# Altium PCB IO_Boardv3_281215.PcbDoc (continued)
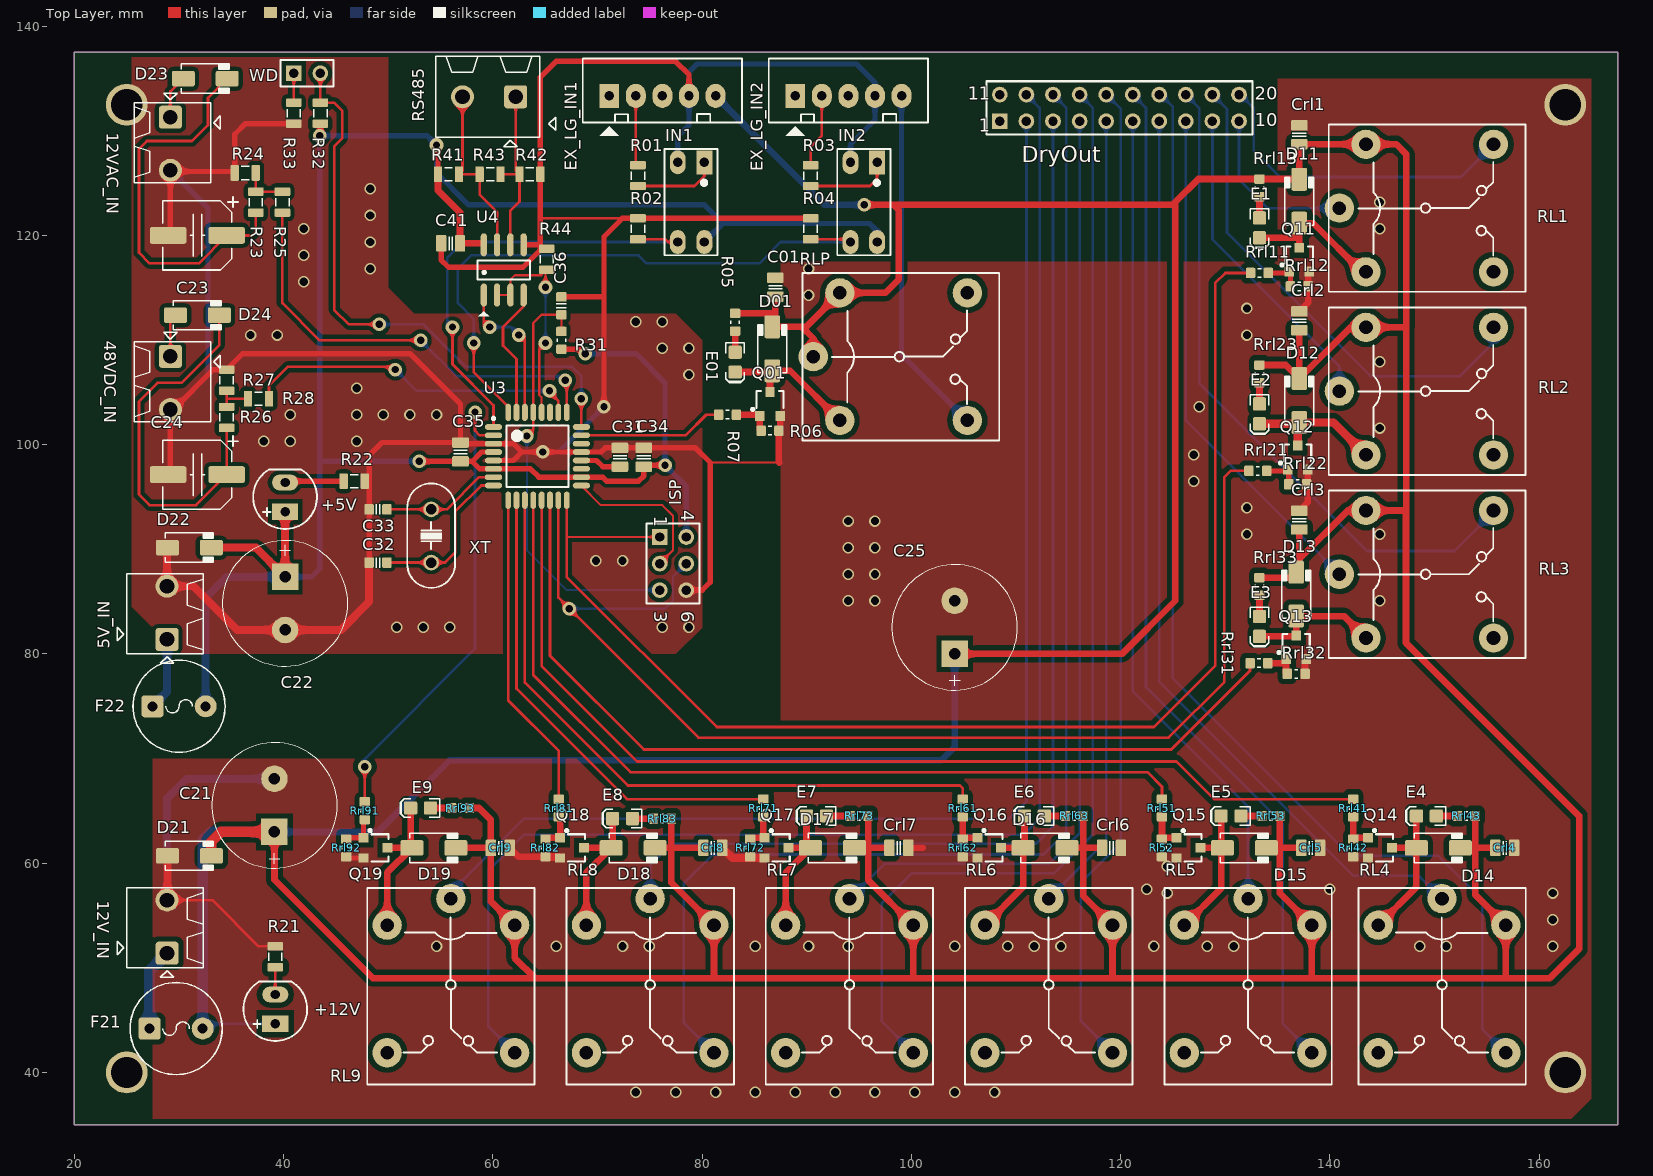
[diagram p0: Top Layer view]
## Footprints (in the part's own frame and the unit in brackets; to place one, negate y for a bottom-side part, rotate by r counter-clockwise, add the part's x,y. Pads: shape width x height; smd on the part's side, far side on the other; paste and mask are expansions set on the pad) (continued)
XT2 [mm]
  round 1.5 hole 1: 1(-2.54,0) 2(2.54,0)
  silkscreen extent -5.03,-2.29 4.96,2.29, body extent -5.93,-2.36 5.42,2.29, height 3.5

## Part data
5V_IN 12V_IN 12VAC_IN 48VDC_IN RS485: library part 2P_ScrewTerm_90S_3.81MM, "Terminal Block Screw Type THT 2-Position 3.81mm pitch"
C21 C22 C25: library part CP4, "Cap 1000uF/16V - 220uF/50V"
C41: library part "CAP NP"
DryOut: "Header, 10-Pin, Dual row"
E1 E01 E2 E3 E4 E5 E6 E7 E8 E9: library part LED_SMD_Blue_0805_100mcd, "LED 0805 SMD Blue 100mcd 470nm"
EX_LG_IN1 EX_LG_IN2: library part Con5, "Connector 5"
F21 F22: library part Fuse
IN1 IN2: library part Opto
ISP: "Header, 3-Pin, Dual row"
Q01 Q11 Q12 Q13 Q14 Q15 Q16 Q17 Q18 Q19: library part NPN, "Transistor C828 C1815...."
R21 R22: library part Res
R41 R42 R43 R44: library part Res, "Tro dan"
RL1 RL2 RL3 RL4 RL5 RL6 RL7 RL8 RL9 RLP: library part "Relay 1", "Relay SPDT,10A - 12VDC 5 Pin"
U3: library part ATmega48/168/328, "ATmega48/168/328"
U4: "RS232 - RS485 (Same sn75176)"
WD: library part "Header 2", "Header, 2-Pin"
XT: library part Crystal

## Free pads (board coordinates)
  round 4 hole 3: G(25,40) G(25,132.5) G(162.5,40) G(162.5,132.5)

## Via types
v1: diameter 1.1, hole 0.8, Top Layer to Bottom Layer, 86 vias
v2: diameter 1.3, hole 0.7, Top Layer to Bottom Layer, 24 vias

## Nets (pads, with @x,y where several pads share a name; then routed paths per layer and width w, separated by ;. In a path a pad name is that pad's centre, name@x,y a point inside that pad or via, vN(x,y) a via of type N, cw(c..) or ccw(c..) an arc to the next point about the centre after c; other vN are vias at no path point)
+12V: +12V.A C01.1@86.995,114.162 C21.1 C25.1 Crl1.1@137.081,128.729 Crl2.1@137.081,110.949 Crl3.1@137.081,91.899 Crl4.1@155.818,61.468 Crl5.1@137.276,61.468 Crl6.1@118.226,61.468 Crl7.1@97.906,61.468 Crl8.1@80.126,61.468 Crl9.1@59.806,61.468 D01.K D11.K D12.K D13.K D14.K D15.K D16.K D17.K D18.K D19.K D21.K EX_LG_IN1.5 F21.2 R05.2 RL1.5 RL2.5 RL3.5 RL4.5 RL5.5 RL6.5 RL7.5 RL8.5 RL9.5 RLP.1 RLP.5 Rrl13.2 Rrl23.2 Rrl33.2 Rrl43.2 Rrl53.2 Rrl63.2 Rrl73.2 Rrl83.2 Rrl93.2 | length 669
  Top Layer w0.635: C21.1 39.116,58.42 48.514,49.022 64.008,49.022 ; D19.K Crl9.1@59.806,61.468 ; Rrl93.2 58.674,65.278 59.806,64.146 Crl9.1@59.806,61.468 ; D18.K 77.05,61.468 ; Rrl83.2 77.05,61.468 ; Crl8.1@80.126,61.468 77.05,61.468 ; R05.2 86.955,112.562 86.995,112.522 ; C01.1@86.995,114.162 86.995,112.522 ; RLP.1 90.62,110.187 89.535,111.272 ; D17.K 95.89,61.468 ; v2(95.504,122.936) 98.298,122.936 ; Rrl73.2@95.89,64.246 95.89,61.468 ; Crl7.1@97.906,61.468 95.89,61.468 ; C25.1 120.142,80.01 125.222,85.09 125.222,123.19 ; D16.K 116.42,61.468 ; Rrl63.2 116.42,61.468 ; Crl6.1@118.226,61.468 116.42,61.468 ; Rrl33.2 137.061,87.299 137.081,87.279 137.081,89.075 ; Rrl23.2 135.791,107.619 D12.K ; D15.K 135.216,61.468 ; Rrl53.2 135.216,61.468 ; Crl3.1@137.081,91.899 137.081,89.075 ; Crl2.1@137.081,110.949 D12.K ; Crl5.1@137.276,61.468 135.216,61.468 ; 138.278,49.124 RL5.5 135.216,57.138 135.216,61.468 ; D14.K 153.885,61.468 ; Rrl43.2 153.885,61.468 ; Crl4.1@155.818,61.468 153.885,61.468 ; 156.82,49.124 RL4.5 153.885,57.011 153.885,61.468 ; Crl9.1@59.806,61.468 59.806,56.348 RL9.5 62.078,50.952 64.008,49.022 ; 64.008,49.022 81.28,49.022 ; 77.05,61.468 77.05,58.154 RL8.5 81.128,49.174 81.28,49.022 ; 81.28,49.022 100.33,49.022 ; 86.995,112.522 86.995,111.558 D01.K 89.535,111.272 ; 89.535,111.272 89.915,111.272 RLP.5 97.5,114.518 98.806,115.824 98.806,122.428 98.298,122.936 ; 95.89,61.468 95.89,58.364 RL7.5 100.178,49.174 100.33,49.022 ; 98.298,122.936 124.968,122.936 125.222,123.19 ; 100.33,49.022 119.126,49.022 ; 116.42,61.468 116.42,56.884 RL6.5 119.228,49.124 119.126,49.022 ; 119.126,49.022 161.036,49.022 163.83,51.816 163.83,64.516 147.283,81.063 147.283,93.721 ; 125.222,123.19 127.431,125.399 Rrl13.2 137.061,125.399 D11.K 137.081,128.729 137.089,128.721 RL1.5 146.361,128.721 147.32,127.762 147.32,111.252 147.289,111.221 ; 137.081,89.075 141.727,93.721 RL3.5 147.283,93.721 ; D12.K 141.973,111.221 RL2.5 147.289,111.221 ; 147.283,93.721 147.289,93.726 147.289,111.221
  Top Layer w1: D21.K 33.088,62.044 34.036,62.992 C21.1
  Bottom Layer w0.254: F21.2 32.721,44.659 +12V.A
  Bottom Layer w0.635: C21.1 49.022,62.992 55.88,69.85 102.87,69.85 104.14,71.12 C25.1 ; EX_LG_IN1.5 91.694,122.936 v2(95.504,122.936)
  Bottom Layer w1: F21.2 32.258,62.23 33.02,62.992 C21.1
+12V_SMOKE: EX_LG_IN2.5 RLP.3 | length 33.6
  Bottom Layer w0.508: EX_LG_IN2.5 99.06,108.618 RLP.3
ADC1: R32.1@43.507,132.699 U3.24 WD.2 | length 55.7
  Top Layer w0.254: WD.2 43.507,132.699 44.831,132.699 45.593,131.937 45.593,129.286 44.831,128.524 44.831,112.903 46.228,111.506 v2(49.149,111.506) ; v2(68.453,104.394) 68.455,104.392 U3.24
  Bottom Layer w0.254: v2(49.149,111.506) 53.34,111.506 57.404,107.442 67.564,107.442 68.453,106.553 v2(68.453,104.394)
ADC2: R25.2 U3.25 | length 41.9
  Top Layer w0.254: R25.2 39.878,113.538 43.434,109.982 v2(53.086,109.982) ; v2(66.929,106.172) 67.055,106.046 U3.25
  Bottom Layer w0.254: v2(53.086,109.982) 56.515,106.553 56.642,106.553 66.548,106.553 v2(66.929,106.172)
ADC3: R28.2 U3.26 | length 32.2
  Top Layer w0.254: R28.2 38.592,105.648 40.386,107.442 50.419,107.442 v2(50.673,107.188) ; v2(65.405,105.156) 65.405,105.029 66.255,104.179 U3.26
  Bottom Layer w0.254: v2(50.673,107.188) 52.705,105.156 v2(65.405,105.156)
ADC4: U3.27
ADC6: U3.19
ADC7: U3.22
AREF: C31.1@72.136,97.906 U3.20 | length 3.9
  Top Layer w0.508: U3.20 69.902,98.5 70.496,97.906 C31.1@72.136,97.906
COM1: DryOut.10 RL1.1 | length 16.3
  Bottom Layer w0.254: DryOut.10 131.318,125.349 134.042,122.625 RL1.1
COM2: DryOut.9 RL2.1 | length 30.8
  Bottom Layer w0.254: DryOut.9 128.778,119.634 140.912,107.5 RL2.1
COM3: DryOut.8 RL3.1 | length 49.4
  Bottom Layer w0.254: DryOut.8 126.238,102.299 RL3.1
COM4: DryOut.7 RL4.1 | length 89.2
  Bottom Layer w0.254: DryOut.7 123.698,77.343 142.24,58.801 148.539,58.801 RL4.1
COM5: DryOut.6 RL5.1 | length 78.9
  Bottom Layer w0.254: DryOut.6 121.158,76.454 132.182,65.43 RL5.1
COM6: DryOut.5 RL6.1 | length 76.6
  Bottom Layer w0.254: RL6.1 118.618,62.103 DryOut.5
COM7: DryOut.4 RL7.1 | length 92.7
  Bottom Layer w0.254: RL7.1 97.409,59.944 113.157,59.944 116.078,62.865 DryOut.4
COM8: DryOut.3 RL8.1 | length 110.7
  Bottom Layer w0.254: RL8.1 75.032,59.792 77.089,61.849 111.887,61.849 113.538,63.5 DryOut.3
COM9: DryOut.2 RL9.1 | length 124.3
  Bottom Layer w0.254: RL9.1 55.982,57.252 62.992,64.262 109.347,64.262 110.998,65.913 DryOut.2
DRY1A: EX_LG_IN1.3
DRY1B: EX_LG_IN1.2 R01.2 | length 6.7
  Top Layer w0.254: EX_LG_IN1.2 73.66,126.93 R01.2
DRY2A: EX_LG_IN2.3
DRY2B: EX_LG_IN2.2 R03.2 | length 7.1
  Top Layer w0.254: R03.2 90.37,128.47 91.44,129.54 EX_LG_IN2.2
GND: 5V_IN.2 12V_IN.2 12VAC_IN.2 48VDC_IN.2 C01.2 C21.2 C22.2 C23.2 C24.2 C25.2 C31.2 C32.2 C33.2 C34.2 C35.2 C36.1 C41.1@55.053,119.253 Crl1.2 Crl2.2 Crl3.2 Crl4.2 Crl5.2 Crl6.2 Crl7.2 Crl8.2 Crl9.2 D21.A D22.A EX_LG_IN1.4 EX_LG_IN2.4 IN1.2 IN2.2 ISP.6 pad.G Q01.3 Q11.3 Q12.3 Q13.3 Q14.3 Q15.3 Q16.3 Q17.3 Q18.3 Q19.3 R02.1@73.86,121.65 R04.1@90.37,121.65 R06.1 R21.2 R22.2 R24.1@35.322,125.984 R27.1@34.544,107.172 R33.1@40.967,130.699 R42.1@64.535,125.857 R44.1@65.151,118.729 Rl52.1 Rrl12.1 Rrl22.1 Rrl32.1 Rrl42.1 Rrl62.1 Rrl72.1 Rrl82.1 Rrl92.1 U3.3 U3.5 U3.21 U4.5 | length 392.7
  Top Layer w0.203: 80.772,98.298 87.376,98.298
  Top Layer w0.254: 12V_IN.2 33.185,56.477 37.606,52.056 R21.2 ; 64.535,121.666 64.551,121.65 72.374,121.65
  Top Layer w0.508: C24.2 29.17,97.37 48VDC_IN.2 29.459,103.373 33.258,107.172 34.544,107.172 36.084,108.712 52.07,108.712 56.896,103.886 C35.2 ; C23.2 29.17,120.23 12VAC_IN.2 29.281,126.122 R24.1@35.306,126.122 ; R24.1@35.322,125.984 35.322,129.683 36.338,130.699 R33.1@40.967,130.699 ; Rrl92.1@46.089,60.503 Q19.3 ; C32.2 C33.2 48.165,98.965 49.414,100.214 C35.2 ; C41.1@55.053,119.253 55.053,117.667 55.753,116.967 62.865,116.967 64.535,118.637 64.535,119.253 ; U3.5 61.952,98.5 62.752,99.3 ; U4.5 64.395,119.113 64.535,119.253 ; v2(64.77,99.314) v2@64.77,99.3 ; C36.1@66.421,114.134 70.524,114.134 70.612,114.046 ; v2(70.612,103.632) 70.612,114.046 ; ISP.6 80.01,86.106 80.772,86.868 80.772,98.298 79.364,99.706 C34.2 C31.2 70.75,99.706 70.344,99.3 U3.21 v2@64.77,99.3 ; EX_LG_IN1.4 78.74,135.382 77.47,136.652 66.04,136.652 64.535,135.147 64.535,125.857 64.535,121.666 64.535,119.253 ; R04.1@90.37,121.65 73.86,121.65 72.374,121.65 70.612,119.888 70.612,114.046 ; C35.2 57.01,100.1 U3.3 61.952,100.1 62.752,99.3 ; 62.752,99.3 v2@64.77,99.3
  Top Layer w0.635: Crl9.2 62.456,60.618 Rrl82.1 ; 87.376,98.298 87.337,98.337 R06.1 87.452,101.461 Q01.3 ; Crl7.2 101.092,61.468 ; Crl3.2 137.89,94.508 Q12.3 ; Crl2.2 137.931,113.599 Rrl12.1 137.931,116.433 Q11.3 ; Rrl32.1 137.629,79.387 Q13.3
  Top Layer w0.762: 12V_IN.2 28.888,56.515 D21.A ; D22.A 28.85,90.132 5V_IN.2 31.379,86.477 35.56,82.296 C22.2 45.466,82.296 48.165,84.995 C32.2 ; Rrl82.1 66.306,60.618 Q18.3 ; Crl8.2 82.891,60.503 Q17.3
  Bottom Layer w0.508: 48VDC_IN.2 29.459,103.373 32.766,106.68 32.766,122.637 12VAC_IN.2 ; v2(64.77,99.314) 66.294,99.314 v2(70.612,103.632) ; IN1.2 77.67,129.486 78.74,130.556 EX_LG_IN1.4 78.74,135.636 79.502,136.398 94.742,136.398 96.52,134.62 EX_LG_IN2.4 96.52,131.064 94.18,128.724 IN2.2
  Bottom Layer w0.762: 12V_IN.2 28.85,66.188 30.734,68.072 C21.2
  other v1: 73.66,38.1 77.47,38.1 81.28,38.1 85.09,38.1 88.9,38.1 92.71,38.1 96.52,38.1 100.33,38.1 104.14,38.1 107.95,38.1 54.61,52.07 66.04,52.07 72.39,52.07 74.93,52.07 85.09,52.07 90.17,52.07 93.98,52.07 104.14,52.07 109.22,52.07 111.76,52.07 114.3,52.07 123.19,52.07 128.27,52.07 130.81,52.07 148.59,52.07 151.13,52.07 161.29,52.07 161.29,54.61 124.46,57.15 161.29,57.15 122.5,57.5 140,57.5 124.46,59.69 50.8,82.55 53.34,82.55 55.88,82.55 76.2,82.55 78.74,82.55 93.98,85.09 96.52,85.09 144.78,85.09 93.98,87.63 96.52,87.63 69.85,88.9 72.39,88.9 93.98,90.17 96.52,90.17 132.08,91.44 144.78,91.44 93.98,92.71 96.52,92.71 132.08,93.98 127,96.52 127,99.06 38.1,100.33 40.64,100.33 46.99,100.33 144.78,101.6 40.64,102.87 46.99,102.87 49.53,102.87 52.07,102.87 54.61,102.87 127.508,103.632 46.99,105.41 78.74,106.68 144.78,107.95 76.2,109.22 78.74,109.22 36.83,110.49 39.37,110.49 132.08,110.49 73.66,111.76 76.2,111.76 132.08,113.03 90.17,114.3 41.91,115.57 48.26,116.84 90.17,116.84 41.91,118.11 48.26,119.38 41.91,120.65 144.78,120.65 48.26,121.92 144.78,123.19 48.26,124.46
LG_IN_1: IN1.3 R02.2 U3.1 | length 44.6
  Top Layer w0.254: v2(56.134,111.252) 56.134,107.696 60.055,103.775 U3.1 ; R02.2 76.47,119.65 76.74,119.38 IN1.3
  Bottom Layer w0.254: v2(56.134,111.252) 55.626,111.76 55.626,117.856 57.15,119.38 IN1.3
LG_IN_2: IN2.3 R04.2 U3.32 | length 58.9
  Top Layer w0.254: v2(58.166,109.728) 58.166,106.934 61.455,103.645 U3.32 ; R04.2 93.91,119.65 IN2.3
  Bottom Layer w0.254: v2(58.166,109.728) 58.166,112.014 56.642,113.538 56.642,116.84 57.912,118.11 73.914,118.11 74.676,117.348 85.471,117.348 87.503,119.38 IN2.3
MCU_RX: U3.30 U4.1 | length 14
  Top Layer w0.254: U4.1 59.128,111.814 v2(59.69,111.252) ; v2(62.484,110.49) 63.055,109.919 U3.30
  Bottom Layer w0.254: v2(59.69,111.252) 61.722,111.252 v2(62.484,110.49)
MCU_TX: U3.31 U4.4 | length 12.6
  Top Layer w0.254: U3.31 62.255,108.179 60.96,109.474 60.96,111.252 62.938,113.23 U4.4
MISO: ISP.1 Rrl11.1 U3.16 | length 126.9
  Top Layer w0.203: 67.055,91.186 ISP.1
  Top Layer w0.254: U3.16 67.055,91.186 67.055,87.376 81.406,73.025 123.19,73.025 129.032,78.867 129.032,115.443 130.01,116.421 Rrl11.1
MOSI: ISP.5 Rrl21.1 U3.15 | length 117.2
  Top Layer w0.254: U3.15 66.255,85.383 v2(67.31,84.328) 79.629,72.009 124.587,72.009 129.921,77.343 129.921,96.901 130.521,97.501 Rrl21.1
  Bottom Layer w0.203: v2(67.31,84.328) 76.454,84.328 77.216,85.09 77.216,87.376 ISP.5
Net5V_IN_1: 5V_IN.1 F22.1 | length 7
  Bottom Layer w0.762: F22.1 28.85,76.39 5V_IN.1
Net12V_IN_1: 12V_IN.1 F21.1 | length 7.9
  Bottom Layer w1.016: F21.1 27.178,49.725 12V_IN.1
Net12VAC_IN_1: 12VAC_IN.1 D23.A | length 4.2
  Top Layer w0.254: 12VAC_IN.1 29.17,133.77 D23.A
Net48VDC_IN_1: 48VDC_IN.1 D24.A | length 4.1
  Top Layer w0.254: 48VDC_IN.1 29.17,111.91 D24.A
Net+5V_2: +5V.K R22.1@45.736,96.52 | length 5.7
  Top Layer w0.508: +5V.K 40.259,96.52 R22.1@45.736,96.52
Net+12V_2: +12V.K R21.1@39.198,50.056 | length 2.6
  Top Layer w0.254: +12V.K R21.1@39.198,50.056
NetC23_1: C23.1 D23.K R23.1@37.338,122.19 | length 37.3
  Top Layer w0.254: D23.K 32.766,133.166 32.766,130.556 31.242,129.032 26.924,129.032 26.162,128.27 26.162,118.364 27.178,117.348 31.888,117.348 C23.1 36.952,120.01 37.338,120.396 R23.1@37.338,122.19
NetC24_1: C24.1 D24.K R26.1@34.544,101.616 | length 36.1
  Top Layer w0.254: D24.K 33.85,109.542 30.226,105.918 27.94,105.918 26.162,104.14 26.162,95.25 27.178,94.234 31.634,94.234 C24.1 34.55,101.61 R26.1@34.544,101.616
NetD01_1: D01.A E01.K Q01.2 RLP.4 | length 13.8
  Top Layer w0.635: E01.K 86.587,106.949 D01.A 88.414,107.072 RLP.4 ; Q01.2 D01.A@86.487,106.85
NetD11_1: D11.A E1.K Q11.2 RL1.4 | length 14.5
  Top Layer w0.635: E1.K 137.056,119.786 137.081,119.761 ; Q11.2 137.081,119.761 ; RL1.4 143.059,116.529 138.409,121.179 D11.A 137.081,119.761
NetD12_1: D12.A E2.K Q12.2 RL2.4 | length 13.6
  Top Layer w0.8: E2.K D12.A@136.959,102.006 ; Q12.2 136.925,101.973 D12.A@136.959,102.006 ; RL2.4 140.352,102.129 D12.A D12.A@136.959,102.006
NetD13_1: D13.A E3.K Q13.2 RL3.4 | length 12.9
  Top Layer w0.635: E3.K 136.677,81.686 Q13.2 D13.A 141.356,83.625 RL3.4
NetD14_1: D14.A E4.K Q14.2 RL4.4 | length 14.3
  Top Layer w0.635: RL4.4 148.268,57.717 D14.A ; Q14.2 D14.A ; E4.K 148.273,61.473 D14.A
NetD15_1: D15.A E5.K Q15.2 RL5.4 | length 14
  Top Layer w0.635: RL5.4 129.603,57.594 D15.A@129.603,61.468 ; Q15.2 D15.A@129.603,61.468 ; E5.K D15.A@129.603,61.468 ; D15.A D15.A@129.603,61.468
NetD16_1: D16.A E6.K Q16.2 RL6.4 | length 14.1
  Top Layer w0.635: RL6.4 110.676,57.717 D16.A ; Q16.2 D16.A ; E6.K 110.807,61.6 D16.A
NetD17_1: D17.A E7.K Q17.2 RL7.4 | length 13.5
  Top Layer w0.635: RL7.4 87.986,59.098 D17.A D17.A@89.916,61.468 ; Q17.2 D17.A@89.916,61.468 ; E7.K 89.98,61.531 D17.A@89.916,61.468
NetD18_1: D18.A E8.K Q18.2 RL8.4 | length 13.8
  Top Layer w0.635: Q18.2 D18.A ; RL8.4 68.936,59.098 D18.A ; E8.K 71.438,61.6 D18.A
NetD19_1: D19.A E9.K Q19.2 RL9.4 | length 14.3
  Top Layer w0.635: RL9.4 49.886,59.098 D19.A ; Q19.2 52.011,61.468 52.133,61.59 E9.K
NetE01_A: E01.A R05.1 | length 2
  Top Layer w0.635: E01.A R05.1
NetE1_A: E1.A Rrl13.1 | length 2
  Top Layer w0.635: E1.A Rrl13.1
NetE2_A: E2.A Rrl23.1 | length 2
  Top Layer w0.635: E2.A Rrl23.1
NetE3_A: E3.A Rrl33.1 | length 2
  Top Layer w0.635: E3.A Rrl33.1
NetE4_A: E4.A Rrl43.1 | length 2
  Top Layer w0.635: E4.A Rrl43.1
NetE5_A: E5.A Rrl53.1 | length 2
  Top Layer w0.635: E5.A Rrl53.1
NetE6_A: E6.A Rrl63.1 | length 2
  Top Layer w0.635: E6.A Rrl63.1
NetE7_A: E7.A Rrl73.1 | length 2.3
  Top Layer w0.635: E7.A Rrl73.1
NetE8_A: E8.A Rrl83.1 | length 2
  Top Layer w0.635: E8.A Rrl83.1
NetE9_A: E9.A Rrl93.1 | length 2
  Top Layer w0.635: E9.A Rrl93.1
NetIN1_1: IN1.1 R01.1@73.86,124.73 | length 8.1
  Top Layer w0.254: R01.1@73.86,124.73 79.264,124.73 80.21,125.676 IN1.1
NetIN2_1: IN2.1 R03.1@90.37,124.73 | length 8.2
  Top Layer w0.254: R03.1@90.37,124.73 96.028,124.73 96.72,125.422 IN2.1
NetQ01_1: Q01.1 R06.2 R07.2 | length 3.7
  Top Layer w0.635: R07.2 85.395,102.87 Q01.1 85.522,101.461 R06.2
NetQ11_1: Q11.1 Rrl11.2 Rrl12.2 | length 3.5
  Top Layer w0.5: Rrl11.2 135.989,116.421 Q11.1 136.231,116.433 Rrl12.2
NetQ12_1: Q12.1 Rrl21.2 Rrl22.2 | length 3.5
  Top Layer w0.5: Rrl21.2 135.833,97.501 Q12.1 136.075,97.513 Rrl22.2
NetQ13_1: Q13.1 Rrl31.2 Rrl32.2 | length 3.3
  Top Layer w0.635: Rrl31.2 135.433,79.121 Q13.1 135.814,78.22 Rrl32.2
NetQ14_1: Q14.1 Rrl41.2 Rrl42.2 | length 3.6
  Top Layer w0.635: Rrl41.2 Rrl42.2 142.355,62.433 Q14.1
NetQ15_1: Q15.1 Rl52.2 Rrl51.2 | length 3.6
  Top Layer w0.635: Rrl51.2 Rl52.2 124.067,62.433 Q15.1
NetQ16_1: Q16.1 Rrl61.2 Rrl62.2 | length 3.6
  Top Layer w0.635: Rrl61.2 Rrl62.2 105.017,62.433 Q16.1
NetQ17_1: Q17.1 Rrl71.2 Rrl72.2 | length 3.5
  Top Layer w0.635: Rrl72.2 84.697,62.433 Q17.1 85.852,62.56 Rrl71.2
NetQ18_1: Q18.1 Rrl81.2 Rrl82.2 | length 3.1
  Top Layer w0.635: Rrl82.2@65.139,62.433 Q18.1 Rrl81.2@66.421,64.301
NetQ19_1: Q19.1 Rrl91.2 Rrl92.2 | length 3.5
  Top Layer w0.508: Rrl92.2@46.089,62.433 Q19.1 47.625,64.047 Rrl91.2
  Top Layer w0.635: Rrl92.2 Rrl92.2@46.089,62.433
NetR23_2: R23.2 R24.2 R25.1@39.878,124.19 | length 4.3
  Top Layer w0.254: R24.2 37.338,125.968 R23.2 R25.1@39.878,124.19
NetR26_2: R26.2 R27.2 R28.1@36.592,104.394 | length 3.6
  Top Layer w0.254: R26.2 34.544,104.394 ; R27.2 34.544,104.394 ; R28.1@36.592,104.394 34.544,104.394
NetR33_2: R33.2 WD.1 | length 2.8
  Top Layer w0.254: R33.2 WD.1
NO1: DryOut.20 RL1.2 | length 31.3
  Bottom Layer w0.254: DryOut.20 131.445,133.477 132.715,132.207 132.715,128.143 135.255,125.603 152.527,125.603 RL1.2
NO2: DryOut.19 RL2.2 | length 47.7
  Bottom Layer w0.254: DryOut.19 130.175,132.08 130.175,120.269 143.891,106.553 152.425,106.553 155.644,109.772 RL2.2
NO3: DryOut.18 RL3.2 | length 64.6
  Bottom Layer w0.254: DryOut.18 127.508,132.207 127.508,105.918 143.573,89.852 151.905,89.852 155.644,93.592 RL3.2
NO4: DryOut.17 RL4.2 | length 110.3
  Bottom Layer w0.254: DryOut.17 123.825,133.477 124.968,132.334 124.968,77.724 141.986,60.706 150.368,60.706 154.559,56.515 154.559,44.145 RL4.2
NO5: DryOut.16 RL5.2 | length 98.7
  Bottom Layer w0.254: DryOut.16 122.428,132.207 122.428,76.835 135.509,63.754 135.509,51.308 135.509,44.653 RL5.2
NO6: DryOut.15 RL6.2 | length 95
  Bottom Layer w0.254: DryOut.15 120.015,132.08 120.015,61.976 116.205,58.166 116.205,46.736 116.205,44.907 RL6.2
NO7: DryOut.14 RL7.2 | length 109.7
  Bottom Layer w0.254: RL7.2 97.155,44.907 97.155,45.466 97.155,56.134 100.076,59.055 113.665,59.055 117.348,62.738 117.348,132.207 DryOut.14
NO8: DryOut.13 RL8.2 | length 127
  Bottom Layer w0.254: RL8.2 78.232,44.78 78.232,45.339 78.232,58.039 81.026,60.833 112.649,60.833 114.808,62.992 114.808,132.207 DryOut.13
NO9: DryOut.12 RL9.2 | length 143
  Bottom Layer w0.254: RL9.2 59.563,44.399 59.563,48.514 59.563,59.309 62.992,62.738 110.744,62.738 112.268,64.262 112.268,132.207 DryOut.12
PC5: R44.2 U3.28 U4.2 U4.3 | length 20.5
  Top Layer w0.203: U4.2 U4.3 61.668,115.77 62.103,116.205 64.627,116.205 R44.2@65.024,116.602 ; U3.28 64.655,104.52 64.425,104.75 64.425,109.129 v2(65.024,109.728) ; v2(65.024,115.062) R44.2@65.024,116.602 ; R44.2 R44.2@65.024,116.602
  Bottom Layer w0.203: v2(65.024,109.728) v2(65.024,115.062)
RELAY_3: Rrl31.1 U3.14 | length 89.3
  Top Layer w0.254: U3.14 65.455,79.833 74.422,70.866 124.841,70.866 132.373,78.398 Rrl31.1
RELAY_4: Rrl41.1 U3.13 | length 98.7
  Top Layer w0.254: U3.13 64.655,78.855 73.787,69.723 125.349,69.723 128.944,66.128 Rrl41.1
RELAY_5: Rrl51.1 U3.12 | length 82.4
  Top Layer w0.254: U3.12 63.855,78.004 73.152,68.707 122.555,68.707 123.952,67.31 Rrl51.1
RELAY_6: Rrl61.1 U3.11 | length 64.5
  Top Layer w0.254: U3.11 63.055,77.28 72.898,67.437 104.648,67.437 104.902,67.183 Rrl61.1
RELAY_7: Rrl71.1 U3.10 | length 46
  Top Layer w0.254: U3.10 62.255,76.683 72.81,66.128 Rrl71.1
RELAY_8: Rrl81.1 U3.9 | length 30.6
  Top Layer w0.254: U3.9 61.455,75.578 66.294,70.739 Rrl81.1
RELAY_9: Rrl91.1 U3.2 | length 45.3
  Top Layer w0.254: Rrl91.1 v2(47.752,69.215) ; v2(58.293,103.124) 58.293,101.346 58.739,100.9 U3.2
  Bottom Layer w0.254: v2(47.752,69.215) 47.752,69.977 58.293,80.518 v2(58.293,103.124)
RS485A: R42.2 R43.1@60.725,125.857 RS485.1 U4.6 | length 16.5
  Top Layer w0.254: R43.1@60.725,125.857 R42.2 ; U4.6 61.668,122.374 62.535,123.241 R42.2 ; RS485.1 62.176,126.216 R42.2
RS485B: R41.1@56.753,125.857 R43.2 RS485.2 U4.7 | length 17
  Top Layer w0.254: RS485.2 57.096,126.2 56.753,125.857 R43.2 58.725,123.901 60.398,122.228 U4.7
RST: C36.2 ISP.3 R31.1 U3.29 | length 40.8
  Top Layer w0.203: v2(63.246,100.838) 63.855,101.447 U3.29 63.855,111.646 64.643,112.434 66.421,112.434 66.548,112.307 R31.1
  Bottom Layer w0.203: v2(63.246,100.838) 63.246,89.916 67.056,86.106 ISP.3
SCK: ISP.2 U3.17 | length 15.1
  Top Layer w0.203: U3.17 70.321,94.234 76.2,94.234 77.216,93.218 77.216,89.916 ISP.2
SMOKE_POWER: R07.1 U3.23 | length 13.9
  Top Layer w0.254: U3.23 78.421,100.9 80.391,102.87 R07.1
VCC: +5V.A C22.1 C34.1@74.422,97.906 C35.1@56.896,98.414 C41.2 D22.K F22.2 IN1.4 IN2.4 ISP.4 R31.2 R32.2 R41.2 U3.4 U3.6 U3.18 U4.8 | length 218.5
  Top Layer w0.508: v2(43.434,129.54) 43.507,129.613 R32.2 ; v2(52.959,98.425) 52.97,98.414 56.896,98.414 58.028,98.414 ; v2(54.61,128.651) 54.753,128.508 R41.2 ; U3.4 58.914,99.3 58.028,98.414 ; R31.2 68.414,109.132 v2(68.834,108.712) ; v2(76.454,98.044) 74.56,98.044 74.422,97.906 74.422,97.028 73.914,96.52 70.866,96.52 70.486,96.9 U3.18 64.39,96.9 63.59,97.7 U3.6 58.742,97.7 58.028,98.414
  Top Layer w0.635: R41.2 54.753,124.317 56.853,122.217 C41.2 58.988,119.253 U4.8
  Top Layer w0.762: D22.K 37.338,90.17 C22.1 +5V.A
  Bottom Layer w0.508: C22.1 42.672,87.376 43.434,88.138 43.434,98.298 ; v2(52.959,98.425) 43.561,98.425 43.434,98.298 ; v2(68.834,108.712) 73.66,108.712 76.454,105.918 v2(76.454,98.044) 78.486,96.012 ISP.4 ; IN1.4 81.988,121.158 ; IN2.4 96.72,120.45 96.012,121.158 81.988,121.158 ; 43.434,98.298 v2(43.434,129.54) 53.721,129.54 v2(54.61,128.651) 54.61,126 57.674,122.936 80.21,122.936 81.988,121.158
  Bottom Layer w0.762: F22.2 32.54,85.372 34.544,87.376 C22.1
XTAL1: C33.1 U3.7 XT.1 | length 11.5
  Top Layer w0.254: C33.1 XT.1 55.593,93.82 58.673,96.9 U3.7
XTAL2: C32.1 U3.8 XT.2 | length 15.5
  Top Layer w0.254: C32.1 XT.2 55.433,88.74 56.388,89.695 56.388,93.599 58.889,96.1 U3.8
pads on no net: C01.0 C01.1@86.995,114.162 C01.1@86.995,115.962 C23.0 C24.0 C31.0 C31.1@72.136,97.906 C31.1@72.136,99.706 C32.0 C33.0 C34.0 C34.1@74.422,97.906 C34.1@74.422,99.706 C35.0 C35.1@56.896,98.414 C35.1@56.896,100.214 C36.0 C41.0 C41.1@55.053,119.253 C41.1@56.853,119.253 Crl1.0 Crl1.1@137.081,128.729 Crl1.1@137.081,130.529 Crl2.0 Crl2.1@137.081,110.949 Crl2.1@137.081,112.749 Crl3.0 Crl3.1@137.081,91.899 Crl3.1@137.081,93.699 Crl4.0 Crl4.1@155.818,61.468 Crl4.1@157.618,61.468 Crl5.0 Crl5.1@137.276,61.468 Crl5.1@139.076,61.468 Crl6.0 Crl6.1@118.226,61.468 Crl6.1@120.026,61.468 Crl7.0 Crl7.1@97.906,61.468 Crl7.1@99.706,61.468 Crl8.0 Crl8.1@80.126,61.468 Crl8.1@81.926,61.468 Crl9.0 Crl9.1@59.806,61.468 Crl9.1@61.606,61.468 D01.0 D11.0 D12.0 D13.0 D14.0 D15.0 D16.0 D17.0 D18.0 D19.0 D21.0 D22.0 D23.0 D24.0 DryOut.1 DryOut.11 E1.0 E01.0 E2.0 E3.0 E4.0 E5.0 E6.0 E7.0 E8.0 E9.0 EX_LG_IN1.1 EX_LG_IN2.1 F21.0 F22.0 R01.0 R01.1@73.86,124.73 R01.1@73.86,126.73 R02.0 R02.1@73.86,119.65 R02.1@73.86,121.65 R03.0 R03.1@90.37,124.73 R03.1@90.37,126.73 R04.0 R04.1@90.37,119.65 R04.1@90.37,121.65 R05.0 R06.0 R07.0 R21.0 R21.1@39.198,50.056 R21.1@39.198,52.056 R22.0 R22.1@45.736,96.52 R22.1@47.736,96.52 R23.0 R23.1@37.338,122.19 R23.1@37.338,124.19 R24.0 R24.1@35.322,125.984 R24.1@37.322,125.984 R25.0 R25.1@39.878,122.19 R25.1@39.878,124.19 R26.0 R26.1@34.544,101.616 R26.1@34.544,103.616 R27.0 R27.1@34.544,105.172 R27.1@34.544,107.172 R28.0 R28.1@36.592,104.394 R28.1@38.592,104.394 R31.0 R32.0 R32.1@43.507,130.699 R32.1@43.507,132.699 R33.0 R33.1@40.967,130.699 R33.1@40.967,132.699 R41.0 R41.1@54.753,125.857 R41.1@56.753,125.857 R42.0 R42.1@62.535,125.857 R42.1@64.535,125.857 R43.0 R43.1@58.725,125.857 R43.1@60.725,125.857 R44.0 R44.1@65.151,116.729 R44.1@65.151,118.729 RL1.3 RL2.3 RL3.3 RL4.3 RL5.3 RL6.3 RL7.3 RL8.3 RL9.3 Rl52.0 RLP.2 Rrl11.0 Rrl12.0 Rrl13.0 Rrl21.0 Rrl22.0 Rrl23.0 Rrl31.0 Rrl32.0 Rrl33.0 Rrl41.0 Rrl42.0 Rrl43.0 Rrl51.0 Rrl53.0 Rrl61.0 Rrl62.0 Rrl63.0 Rrl71.0 Rrl72.0 Rrl73.0 Rrl81.0 Rrl82.0 Rrl83.0 Rrl91.0 Rrl92.0 Rrl93.0

## Polygon pours and split planes (outlines as drawn)
GND on Top Layer "GND_L01_P000" (solid, remove dead copper, pour order 0): 165,135 165,37.5 162.5,35 27.5,35 27.5,70 87.5,70 87.5,117.5 135,117.5 135,135
GND on Top Layer "GND_L01_P004" (solid, remove dead copper, pour order 4): 25,85 25,137.5 50,137.5 50,115 52.5,112.5 77.5,112.5 80,110 80,82.5 77.5,80 30,80
GND on Bottom Layer "GND_L02_P002" (solid, remove dead copper, pour order 2): 27.5,35 165,35 165,70 165,135 135,135 135,117.5 85,117.5 85,75 42.5,75 37.5,70 27.5,70
GND on Bottom Layer "GND_L02_P006" (solid, remove dead copper, pour order 6): 25,85 30,80 62.5,80 80,80 82.5,82.5 82.5,110 77.5,115 67.5,115 65,115 62.5,112.5 52.5,112.5 50,115 50,137.5 25,137.5

## Keep-outs
Keep-Out Layer:
  lines w0.15: 20,35 167.5,35 167.5,50 167.5,137.5 20,137.5 20,35

## Text inside footprints (layer, text, board x,y; h text height)
DryOut: Top Overlay "1" at 106.426,129.921 h1.27; Top Overlay "1" at 105.41,132.969 h1.27; Top Overlay "1" at 106.426,132.969 h1.27; Top Overlay "10" at 132.842,130.429 h1.27; Top Overlay "20" at 132.842,132.969 h1.27
ISP: Top Overlay "4" at 77.978,93.726 h1.27 r270; Top Overlay "1" at 75.438,93.218 h1.27 r270; Top Overlay "3" at 75.438,84.074 h1.27 r270; Top Overlay "6" at 77.978,84.074 h1.27 r270